# Altium PCB PCB.PcbDoc
Units mil, origin at the board's own origin, x right, y up, seen from the top; angles counter-clockwise.
Board outline 6000 x 4000 mil, 2 copper layers (Top Layer, Bottom Layer); 58 components, 38 nets, 195 pads, 12 vias.
Unrouted connection lines stored in the file: 109.
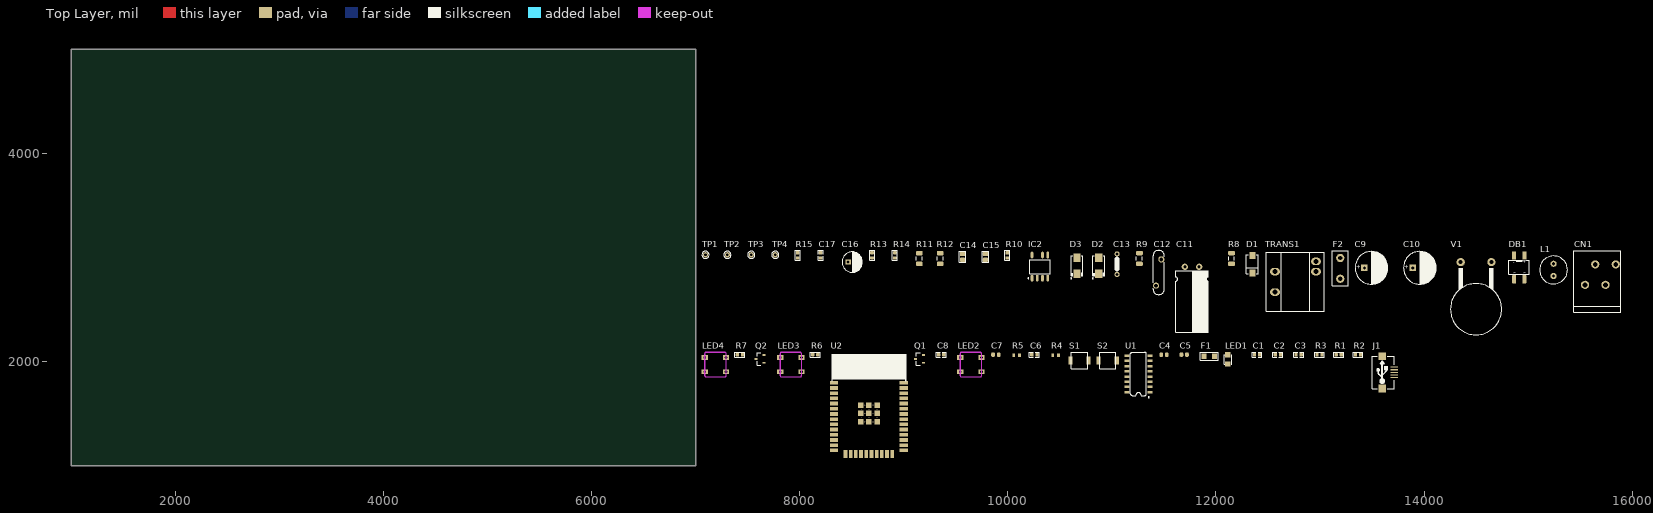
[diagram p0: Top Layer view]
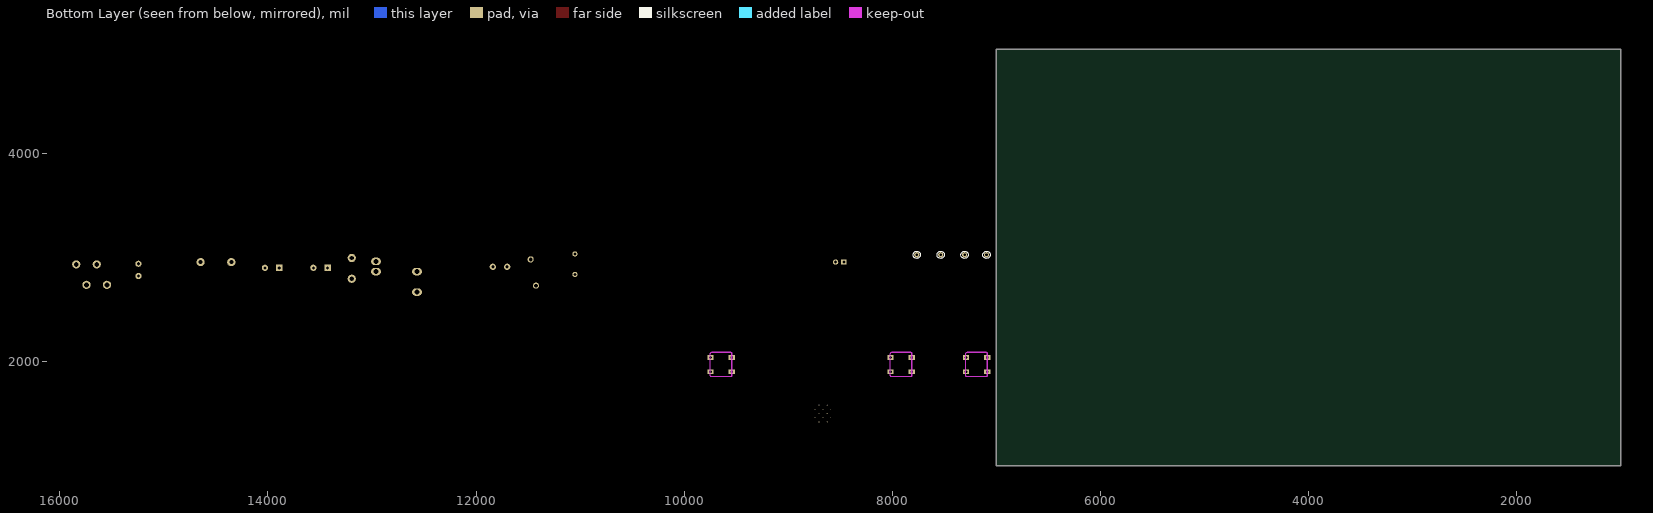
[diagram p1: Bottom Layer view, seen from below]

## Layer stack, top to bottom
Top Solder: solder mask 0.4, Solder Resist, Dk 3.5
Top Layer: signal copper 1.4
Dielectric 1: dielectric 12.6, FR-4, Dk 4.8
Bottom Layer: signal copper 1.4
Bottom Solder: solder mask 0.4, Solder Resist, Dk 3.5

## Board outline
1000,1000 7000,1000 7000,5000 1000,5000

## Design rules (kind name [scope] priority, off if disabled: settings)
Clearance [All] p1: gap=10 ignorepadtopadclearanceinfootprint=FALSE except(0: Arc-Hole Track-Hole SMDPad-Hole THPad-Hole Via-Hole Fill-Hole Poly-Hole Region-Hole Text-Hole)
DiffPairsRouting [All] p1: maxlimit=10 minlimit=10 mostfreqgap=10 toplayer_minwidth=15 toplayer_maxwidth=15 toplayer_prefwidth=15 bottomlayer_minwidth=15 bottomlayer_maxwidth=15 bottomlayer_prefwidth=15 maxuncoupledlength=500
PolygonConnect [All] p1: connectstyle=Relief reliefconductorwidth=10 reliefentries=4 polygonreliefangle="90 Angle" airgapwidth=10
RoomDefinition "Power Supply" [InComponentClass('Power Supply')] p1: confinementstyle=ConfineIn formatcopy=TRUE lockcomponents=FALSE outline 7045,2245 15900,2245 15900,3175 7045,3175
RoomDefinition MCU [InComponentClass('MCU')] p2: confinementstyle=ConfineIn formatcopy=TRUE lockcomponents=FALSE outline 7045,1060 13760,1060 13760,2200 7045,2200
RoutingVias [All] p1: holewidth=28 width=50 viastyle="Through Hole" minholewidth=28 minwidth=50 maxholewidth=28 maxwidth=50
SolderMaskExpansion [All] p1: expansion=4
Width [All] p1: maxlimit=10 minlimit=10 preferedwidth=10
29 further rules are at their usual default settings.

## Classes and differential pairs
net class Power: L N NetDB1_4
net class "Peak voltage": FB GND1 NetC9_1 NetC13_1 NetC13_2 NetD2_2 NetD3_1 NetD3_2 PSOURCE PVCC V_IN
net class "Low voltage": +3.3V +5V A GND
component class "Power Supply": C9 C10 C11 C12 C13 C14 C15 C16 C17 CN1 D1 D2 D3 DB1 F2 IC1 IC2 L1 R8 R9 R10 R11 R12 R13 R14 R15 TP1 TP2 TP3 TP4 TRANS1 V1
component class MCU: C1 C2 C3 C4 C5 C6 C7 C8 F1 J1 LED1 LED2 LED3 LED4 Q1 Q2 R1 R2 R3 R4 R5 R6 R7 S1 S2 U1 U2
differential pair D: +D_P -D_N

## Components (designator, comment, footprint, x,y, rotation, side; value= is the part's Value field where it differs from the comment)
C1 "104/50V" C0603-C 12395,2065 r0 top
C2 "104/50V" C0603-C 12595,2065 r0 top
C3 "104/50V" C0603-C 12795,2065 r0 top
C4 "106/10V" C0603-B 11500,2065 r0 top
C5 "106/10V" C0603-B 11695,2065 r0 top
C6 "104/50V" C0603-C 10255,2065 r0 top
C7 "106/10V" C0603-B 9885,2065 r0 top
C8 "104/50V" C0603-C 9360,2065 r0 top
C9 "4.7uF/400V" CAPPR3.5-8x11.5 13495,2900 r0 top
C10 "4.7uF/400V" CAPPR3.5-8x11.5 13960,2900 r0 top
C11 "1000uF 10VDC" CAPPR3.5-8x15A 11770,2910 r0 top
C12 "2200pF/500V" 562R5TSD22 11450,2855 r90 top
C13 "220pF/1kV" F221K25Y5RN6UK5R 11050,2935 r90 top
C14 "106/10V" C0805-C 9565,3005 r90 top
C15 "106/10V" C0805-C 9785,3005 r90 top
C16 "10uF/50V" CAPPR2-5x11 8505,2955 r0 top
C17 "100/50V" C0603-C 8200,3020 r90 top
CN1 "POWER" H60200801000G 15695,2835 r0 top value=CON-4
D1 "STPS2150A" SMA 12350,2935 r90 top
D2 "1A/1000V" DO-214BA 10875,2920 r90 top
D3 "1A/1000V" DO-214BA 10665,2920 r90 top
DB1 "HD06-T" HD0X 14915,2905 r0 top
F1 "Ferrite Bead" Ferrite_0805 11935,2050 r0 top
F2 "1A-300V" F36911000000 13195,2895 r90 top
IC2 "TEA1721AT" SO-7 10325,2920 r0 top
J1 "USB-5" USB-M1 13715,1895 r90 top
L1 "1000uH/120mA" RLB0812 15245,2880 r90 top
LED1 "LED" LED-0805-Red 12115,1975 r90 top value="LED 3 ly Single Colour"
LED2 "WS2812B" WS2812B-PCB 9645,1970 r0 top
LED3 "WS2812B" WS2812B-PCB 7915,1970 r0 top
LED4 "WS2812B" WS2812B-PCB 7190,1970 r0 top
Q1 "MMTB1815" SOT23-321-C 9150,2025 r0 top
Q2 "MMTB1815" SOT23-321-C 7620,2025 r0 top
R1 "10K/1%" R0603-C 13180,2065 r0 top
R2 "10K/1%" R0603-C 13365,2065 r0 top
R3 "10K/1%" R0603-C 12995,2065 r0 top
R4 "1K/1%" R0603-B 10460,2060 r0 top
R5 "1K/1%" R0603-B 10085,2060 r0 top
R6 "10K/1%" R0603-C 8150,2065 r0 top
R7 "10K/1%" R0603-C 7425,2065 r0 top
R8 "471/5%" R1206-C 12150,2990 r90 top
R9 "104/5%" R1206-C 11265,2990 r90 top
R10 "3.3K/5%" R0603-C 9995,3020 r90 top
R11 "3R3/1%" R1206-C 9150,2990 r90 top
R12 "3R3/1%" R1206-C 9350,2990 r90 top
R13 "10R/5%" R0603-C 8695,3020 r90 top
R14 "15K/1%" R0603-C 8915,3020 r90 top
R15 "3k9/1%" R0603-C 7980,3020 r90 top
S1 "SW-SMD" SW2-3x4x2.5 10690,2010 r0 top
S2 "SW-SMD" SW2-3x4x2.5 10960,2010 r0 top
TP1 "PGND" "TP Multilayer" 7095,3025 r0 top value="TP Multilayer"
TP2 "GND" "TP Multilayer" 7305,3025 r0 top value="TP Multilayer"
TP3 "3V3" "TP Multilayer" 7535,3025 r0 top value="TP Multilayer"
TP4 "5V" "TP Multilayer" 7765,3025 r0 top value="TP Multilayer"
TRANS1 "HTK-MUC51" HTK-MUC51 12765,2765 r0 top value=TRANS
U1 "CH340C" SO016 11255,1880 r90 top
U2 "ESP_WROOM_32" ESP32_WROOM_32 8665,1520 r0 top
V1 "3.5kA" V10E300P-H 14500,2955 r0 top

## Footprints (in the part's own frame and the unit in brackets; to place one, negate y for a bottom-side part, rotate by r counter-clockwise, add the part's x,y. Pads: shape width x height; smd on the part's side, far side on the other; paste and mask are expansions set on the pad)
562R5TSD22 [mm]
  round 1.5 hole 0.9: 1(-3.2,0.65) 2(3.2,-0.65)
  silkscreen extent -5.38,-1.38 5.38,1.38, body extent -5.4,-1.35 5.4,1.35, height 14.4
C0603-B [mm] "Chip Capacitor, 2-Leads, Body 1.60x0.80mm, IPC Medium Density"
  rrect50% 0.9x1 smd: 1(-0.675,0) 2(0.675,0)
  body extent -0.8,-0.4 0.8,0.4, height 0.8
C0603-C [mm] "Chip Capacitor, 2-Leads, Body 1.60x0.80mm, IPC High Density"
  rrect50% 0.8x0.9 smd: 1(-0.625,0) 2(0.625,0)
  silkscreen extent -1.19,-0.61 1.19,0.61, body extent -0.8,-0.4 0.8,0.4, height 0.8
C0805-C [mm] "Chip Capacitor, 2-Leads, Body 2.00x1.25mm, IPC High Density"
  rrect50% 1x1.35 smd: 1(-0.7,0) 2(0.7,0)
  silkscreen extent -1.35,-0.84 1.35,0.84, body extent -1,-0.62 1,0.63, height 0.78
CAPPR2-5x11 [mil] "Capacitor, Radial; Body 5.5x11 mm(Dia.xH max); Pin Spacing 2.5mm(typ)"
  rect 50x50 hole 30: 1(-39.37,0)
  round 50 hole 30: 2(39.37,0)
  silkscreen extent -98,-98 98,98, body extent -98,-98 99,98, height 433
CAPPR3.5-8x11.5 [mil] "Capacitor, Radial; Body 8x11 mm(Dia.xH max); Pin Spacing 3.5 mm(typ)"
  rect 60x60 hole 30: 1(-68.9,0)
  round 60 hole 30: 2(68.9,0)
  silkscreen extent -157,-157 157,157, body extent -159,-158 156,157, height 453
CAPPR3.5-8x15A [mil] "Capacitor, Radial; Body 8x15 mm(Dia.xH max); Pin Spacing 3.5 mm(typ)"
  round 60 hole 30: 1(-68.9,0) 2(68.9,0)
  silkscreen extent -157,-630 157,-39, body extent -157,-630 157,15, height 315
DO-214BA [mm] "Molded Diode, 2-Leads, Body 4.50x2.65mm, IPC Low Density"
  rect 2x1.8 smd: 1(-1.965,0) 2(1.965,0)
  silkscreen extent -3.19,-1.45 2.49,1.57, body extent -2.59,-1.45 2.6,1.45, height 2.74
ESP32_WROOM_32 [mm] "ESP32_WROOM_32 Module, Antenna Onboard"
  rect 1.33x1.33 smd: 0(-2,-2.495) 0(-2,-0.495) 0(-2,1.505) 0(0,-2.495) 0(0,-0.495) 0(0,1.505) 0(2,-2.495) 0(2,-0.495) 0(2,1.505)
  rect 2x0.9 smd: 1(-8.5,7) 2(-8.5,5.73) 3(-8.5,4.46) 4(-8.5,3.19) 5(-8.5,1.92) 6(-8.5,0.65) 7(-8.5,-0.62) 8(-8.5,-1.89) 9(-8.5,-3.16) 10(-8.5,-4.43) 11(-8.5,-5.7) 12(-8.5,-6.97) 13(-8.5,-8.24) 14(-8.5,-9.51) 25(8.5,-9.51) 26(8.5,-8.24) 27(8.5,-6.97) 28(8.5,-5.7) 29(8.5,-4.43) 30(8.5,-3.16) 31(8.5,-1.89) 32(8.5,-0.62) 33(8.5,0.65) 34(8.5,1.92) 35(8.5,3.19) 36(8.5,4.46) 37(8.5,5.73) 38(8.5,7)
  rect 0.9x2 smd: 15(-5.73,-10.415) 16(-4.46,-10.415) 17(-3.19,-10.415) 18(-1.92,-10.415) 19(-0.65,-10.415) 20(0.62,-10.415) 21(1.89,-10.415) 22(3.16,-10.415) 23(4.43,-10.415) 24(5.7,-10.415)
  silkscreen extent -9.1,7.4 9.1,13.95, body extent -9.04,-11 9.04,14.54, height 3
F221K25Y5RN6UK5R [mm]
  round 1.27 hole 0.8: 1(-2.5,0) 2(2.5,0)
  silkscreen extent -1.17,0 1.19,0, body extent -3,-1.05 3,1.05, height 8.1
F36911000000 [mm] "Time lag 300V 1A fuse"
  round 2 hole 1: 1(-2.54,0) 2(2.54,0)
  silkscreen extent -4.25,-2 4.25,2, body extent -4.25,-2 4.25,2, height 8
Ferrite_0805 [mil]
  rect 50x55 smd: 1(-50,0) 2(50,0)
  silkscreen extent -87,-40 87,39, body extent -39,-24 39,24, height 18
H60200801000G [mm] "Anytex H6xx connector 2Pin Pitch 5mm"
  round 2 hole 1.2: 1(-3.75,-2.5) 2(-1.25,2.5) 3(1.25,-2.5) 4(3.75,2.5)
  silkscreen extent -6.55,-9.2 4.95,5.8, body extent -6.6,-9.2 5,5.8, height 15
HD0X [mm] "Diode bridge 0.8A 100V"
  rrect30% 1x2 smd: 1(1.25,2.899) 2(-1.25,-2.899) 3(-1.25,2.899) 4(1.25,-2.899)
  silkscreen extent -2.5,-1.75 2.5,1.75, body extent -2.48,-3.48 2.42,3.47, height 2.7
HTK-MUC51 [mm] "HTK-MUC51"
  oval 2.4x1.8 hole 1.2: 2(-5,2.5) 4(-5,-2.5) 9(5,2.5) 10(5,5)
  silkscreen extent -7.1,-7.2 7,7.2, body extent -7,-7.2 6.9,7.2, height 10.8
LED-0805-Red [mil]
  rect 50x55 smd: 1(0,0) 2(90,0)
  silkscreen extent 0,-35 90,35, body extent 5,-25 85,25, height 43
R0603-B [mm] "Chip Resistor, 2-Leads, Body 1.60x0.82mm, IPC Medium Density"
  rrect50% 0.7x0.95 smd: 1(-0.7,0) 2(0.7,0)
  body extent -0.78,-0.43 0.78,0.43, height 0.45
R0603-C [mm] "Chip Resistor, 2-Leads, Body 1.60x0.82mm, IPC High Density"
  rrect50% 0.8x0.9 smd: 1(-0.625,0) 2(0.625,0)
  silkscreen extent -1.19,-0.61 1.19,0.61, body extent -0.78,-0.43 0.78,0.43, height 0.45
R1206-C [mm] "Chip Resistor, 2-Leads, Body 3.20x1.60mm, IPC High Density"
  rrect50% 1.05x1.65 smd: 1(-1.3,0) 2(1.3,0)
  silkscreen extent -0.4,-0.72 0.4,0.72, body extent -1.68,-0.86 1.68,0.86, height 0.85
RLB0812 [mm]
  round 1.5 hole 0.8: 1(-1.5,0) 2(1.5,0)
  silkscreen extent -3.4,-3.4 3.4,3.4, body extent -3.35,-3.35 3.35,3.35, height 10
SMA [mm] "Molded Diode, 2-Leads, Body 4.27x2.57mm, IPC Low Density"
  rect 1.7x1.5 smd: 1(-2.165,0) 2(2.165,0)
  silkscreen extent -2.29,-1.42 2.31,1.48, body extent -2.52,-1.45 2.52,1.45, height 2.5
SO016 [mm]
  rect 0.6x1.2 smd: 1(-4.445,-2.8) 2(-3.175,-2.8) 3(-1.905,-2.8) 4(-0.635,-2.8) 5(0.635,-2.8) 6(1.905,-2.8) 7(3.175,-2.8) 8(4.445,-2.8) 9(4.445,2.8) 10(3.175,2.8) 11(1.905,2.8) 12(0.635,2.8) 13(-0.635,2.8) 14(-1.905,2.8) 15(-3.175,2.8) 16(-4.445,2.8)
  silkscreen extent -5.84,-2.67 5.26,1.95, body extent -4.98,-3.12 5,3.12, height 1.58
SO-7 [mm] "SOIC, 7-Leads, Body 4.90x3.90mm, Pitch 1.27mm, IPC Low Density"
  oval 0.65x1.65 smd: 1(-2.337,-3.028) 2(-1.067,-3.028) 3(0.203,-3.028) 4(1.473,-3.028) 5(1.473,2.622) 6(0.203,2.622) 7(-2.337,2.622)
  silkscreen extent -3.34,-3.15 2.07,1.5, body extent -2.93,-3.2 2.07,2.8, height 1.75
SOT23-321-C [mm] "SOTFL, 3-Leads, Body 2.90x2.30mm, Pitch 0.95mm, IPC High Density"
  rect 0.75x0.45 smd: 1(0.975,-0.95) 2(0.975,0.95) 3(-0.975,0)
  silkscreen extent -0.7,-1.5 0.2,1.5, body extent -1.14,-1.46 1.2,1.46, height 1
SW2-3x4x2.5 [mm]
  rect 1x2 smd: 1(-2.2,0) 2(2.2,0)
  silkscreen extent -2,-2 2,2, body extent -2.55,-1.45 2.35,1.45, height 2
"TP Multilayer" [mil] "Test point Multilayer"
  round 50 hole 25: 1(0,0)
  silkscreen extent -35,-35 35,35
USB-M1 [mil]
  rect 10x70 smd: 1(51.18,0) 2(25.59,0) 3(0,0) 4(-25.59,0) 5(-50,0)
  rect 74.8x74.8 smd: 5(-155.51,116.84) 5(155.51,116.84)
  silkscreen extent -155,-1 155,215, body extent -157,5 158,218, height 107
V10E300P-H [mm]
  round 2 hole 1: 1(-3.75,0) 2(3.75,0)
  silkscreen extent -6.25,-17.75 6.25,-1.5, body extent -6.25,-16.55 6.25,0.45, height 6.79
WS2812B-PCB [mm]
  rect 1.5x1.2 hole 0.7: 1(-2.6,1.75) 2(-2.6,-1.75) 3(2.6,-1.75) 4(2.6,1.75)
  Keep-Out Layer board cut-out: -2.3,3 -2.415,2.977 -2.512,2.912 -2.577,2.815 -2.6,2.7 -2.6,2.7 -2.6,-2.7 -2.577,-2.815 -2.512,-2.912 -2.415,-2.977 -2.3,-3 -2.3,-3 2.3,-3 2.415,-2.977 2.512,-2.912 2.577,-2.815 2.6,-2.7 2.6,-2.7 2.6,2.7 2.577,2.815 2.512,2.912 2.415,2.977 2.3,3 2.3,3
  Keep-Out Layer lines w0.125: -2.6,-2.7 ccw(c-2.3,-2.7) -2.3,-3 2.3,-3 ccw(c2.3,-2.7) 2.6,-2.7 2.6,2.7 ccw(c2.3,2.7) 2.3,3 -2.3,3 ccw(c-2.3,2.7) -2.6,2.7 -2.6,2.5 -2.6,-2.7
  body extent -2.5,-2.5 2.5,2.5

## Part data
C1 C2 C3 C6 C8: library part CL10B104KB8NNNC, "100nF ±10% 50V X7R 0603 Multilayer Ceramic Capacitors MLCC - SMD/SMT RoHS", BSH Partnumber=C1591, Manufacture="Samsung Electro-Mechanics", ComponentLink1Description=Datasheet, ComponentLink1URL=https://datasheet.lcsc.com/szlcsc/1811021431_Samsung-Electro-Mechanics-CL10B104KB8NNNC_C1591.pdf, ComponentLink2Description="Link sale", ComponentLink2URL=https://item.szlcsc.com/1943.html, Creator=Digo, Datasheet=https://datasheet.lcsc.com/szlcsc/1811021431_Samsung-Electro-Mechanics-CL10B104KB8NNNC_C1591.pdf, Date=20210218, Distributor="LCSC Electronics", Link sale=https://item.szlcsc.com/1943.html, Partnumber=CL10B104KB8NNNC, Pricing (USD)=0.008
C4 C5 C7: library part CL10A106KP8NNNC, "10uF ±10% 10V X5R 0603 Multilayer Ceramic Capacitors MLCC - SMD/SMT RoHS", BSH Partnumber=C19702, Manufacture="Samsung Electro-Mechanics", ComponentLink1Description=Datasheet, ComponentLink1URL=https://datasheet.lcsc.com/szlcsc/1810191219_Samsung-Electro-Mechanics-CL10A106KP8NNNC_C19702.pdf, ComponentLink2Description="Link sale", ComponentLink2URL=https://item.szlcsc.com/20411.html, Creator=Digo, Datasheet=https://datasheet.lcsc.com/szlcsc/1810191219_Samsung-Electro-Mechanics-CL10A106KP8NNNC_C19702.pdf, Date=20210219, Distributor="LCSC Electronics", Link sale=https://item.szlcsc.com/20411.html, Partnumber=CL10A106KP8NNNC, Pricing (USD)=0.008
C9 C10: library part UVC2G4R7MPD, "CAPP 4.7uF 400V 20%", BSH Partnumber=C-4.7-400-8x12, Manufacture=Nichicon, ComponentLink1Description=Datasheet, ComponentLink1URL=http://www.mouser.com/ds/2/293/e-uvc-884169.pdf, ComponentLink2Description="Link sale", ComponentLink2URL=http://www.mouser.vn/ProductDetail/Nichicon/UVC2G4R7MPD/?qs=%2fha2pyFadugG8EgAuLk2FI4lDn3gTjIjspvzUlbO%2fdoUmPWf3U1vnw%3d%3d, Creator=SmartDevice, Datasheet=http://www.mouser.com/ds/2/293/e-uvc-884169.pdf, Date=20160610, Distributor=Mouser, Link sale=http://www.mouser.vn/ProductDetail/Nichicon/UVC2G4R7MPD/?qs=%2fha2pyFadugG8EgAuLk2FI4lDn3gTjIjspvzUlbO%2fdoUmPWf3U1vnw%3d%3d, Partnumber=UVC2G4R7MPD, Pricing (USD)=0.196
C11: library part EEU-FR1A102L, "Aluminum Electrolytic Capacitors - Leaded 10VDC 1000uF 8x15mm LS3.5mm", BSH Partnumber=C-1000u-10V-20, Manufacture=Panasonic, ComponentLink1Description=Datasheet, ComponentLink1URL=http://www.mouser.com/ds/2/315/ABA0000C1021-947569.pdf, ComponentLink2Description="Link sale", ComponentLink2URL=http://www.mouser.vn/ProductDetail/Panasonic/EEU-FR1A102L/?qs=sGAEpiMZZMtZ1n0r9vR22f2plZjWOZXTVY6dm5baXxU%3d, Creator=NamNHc, Datasheet=http://www.mouser.com/ds/2/315/ABA0000C1021-947569.pdf, Date=20160709, Distributor=Mouser, Link sale=http://www.mouser.vn/ProductDetail/Panasonic/EEU-FR1A102L/?qs=sGAEpiMZZMtZ1n0r9vR22f2plZjWOZXTVY6dm5baXxU%3d, Partnumber=EEU-FR1A102L, Pricing (USD)=0
C12: library part 562R5TSD22, "Ceramic Disc Capacitors 500volts 2200pF 10% .25LS X7R", BSH Partnumber="New part", Manufacture="Vishay / BC Components", ComponentLink1Description=Datasheet, ComponentLink1URL=http://www.mouser.com/ds/2/427/561r562r565r-239687.pdf, ComponentLink2Description="Link sale", ComponentLink2URL=http://www.mouser.vn/ProductDetail/Vishay-Cera-Mite/562R5TSD22/?qs=sGAEpiMZZMt1mVBmZSXTPInczIyfF0EBuZvvR8HKRKI=, Creator=NamNHc, Datasheet=http://www.mouser.com/ds/2/427/561r562r565r-239687.pdf, Date=20170329, Distributor=Mouser, Link sale=http://www.mouser.vn/ProductDetail/Vishay-Cera-Mite/562R5TSD22/?qs=sGAEpiMZZMt1mVBmZSXTPInczIyfF0EBuZvvR8HKRKI=, Partnumber=562R5TSD22, Pricing (USD)=0.338
C13: library part F221K25Y5RN6UK5R, "CAPP Ceramic Disc 220pF 1000V 10% 5x6.5mm", BSH Partnumber=C-220-1K-D, Manufacture="Vishay / BC Components", ComponentLink1Description=Datasheet, ComponentLink1URL=http://www.mouser.com/ds/2/427/hvldf02-515169.pdf, ComponentLink2Description="Link sale", ComponentLink2URL=http://www.mouser.vn/ProductDetail/Vishay/F221K25Y5RN6UK5R/?qs=%2fha2pyFaduiH3AWr3oDgc4rr8ZI%252b6maFUN2U6TJgzO2VQGuikzFv0A%3d%3d, Creator=SmartDevice, Datasheet=http://www.mouser.com/ds/2/427/hvldf02-515169.pdf, Date=20160716, Distributor=Mouser, Link sale=http://www.mouser.vn/ProductDetail/Vishay/F221K25Y5RN6UK5R/?qs=%2fha2pyFaduiH3AWr3oDgc4rr8ZI%252b6maFUN2U6TJgzO2VQGuikzFv0A%3d%3d, Partnumber=F221K25Y5RN6UK5R, Pricing (USD)=0.129
C14 C15: library part GRM21BR71A106KA73L, "CAP 0805 10uF 10V 10%", BSH Partnumber=C-10u-10V-0805-10, Manufacture="Murata Electronics", ComponentLink1Description=Datasheet, ComponentLink1URL=http://www.murata.com/products/catalog/pdf/c02e.pdf, ComponentLink2Description="Link sale", ComponentLink2URL=http://www.mouser.vn/ProductDetail/Murata/GRM21BR71A106KA73L/?qs=%2fha2pyFaduh%2fEdsyu96AxlYmpb%2fkUgcA5NhpACNM6PnXP0Re01zvkhFjHxs1cDT4, Creator=SmartDevice, Datasheet=http://www.murata.com/products/catalog/pdf/c02e.pdf, Date=20160715, Distributor=Mouser, Link sale=http://www.mouser.vn/ProductDetail/Murata/GRM21BR71A106KA73L/?qs=%2fha2pyFaduh%2fEdsyu96AxlYmpb%2fkUgcA5NhpACNM6PnXP0Re01zvkhFjHxs1cDT4, Partnumber=GRM21BR71A106KA73L, Pricing (USD)=0.039
C16: library part EEU-EB1H100S, "CAPP 10uF 50V 20%", BSH Partnumber=C-10u-50-20-D, Manufacture=Panasonic, ComponentLink1Description=Datasheet, ComponentLink1URL=http://www.mouser.com/ds/2/315/DMF0000COL62-951366.pdf, ComponentLink2Description="Link sale", ComponentLink2URL=http://www.mouser.vn/ProductDetail/Panasonic/EEU-EB1H100S/?qs=sGAEpiMZZMtZ1n0r9vR22RyzzjEKRzqKZbIP%252bqQ6oFI%3d, Creator=SmartDevice, Datasheet=http://www.mouser.com/ds/2/315/DMF0000COL62-951366.pdf, Date=20160716, Distributor=Mouser, Link sale=http://www.mouser.vn/ProductDetail/Panasonic/EEU-EB1H100S/?qs=sGAEpiMZZMtZ1n0r9vR22RyzzjEKRzqKZbIP%252bqQ6oFI%3d, Partnumber=EEU-EB1H100S, Pricing (USD)=0.072
C17: library part GRM1885C1H100JA01D, "CAP 0603 10pF 5% 50V", BSH Partnumber=C-100-50-0603-5, Manufacture="Murata Electronics", ComponentLink1Description=Datasheet, ComponentLink1URL=http://www.murata.com/products/catalog/pdf/c02e.pdf, ComponentLink2Description="Link sale", ComponentLink2URL=http://www.mouser.vn/ProductDetail/Murata/GRM1885C1H100JA01D/?qs=%2fha2pyFadug%2fvrC4VCXnlbJmrOFMaxj30QUgA6YXUVlxuM%2fhvX8xlA%3d%3d, Creator=SmartDevice, Datasheet=http://www.murata.com/products/catalog/pdf/c02e.pdf, Date=20160715, Distributor=Mouser, Link sale=http://www.mouser.vn/ProductDetail/Murata/GRM1885C1H100JA01D/?qs=%2fha2pyFadug%2fvrC4VCXnlbJmrOFMaxj30QUgA6YXUVlxuM%2fhvX8xlA%3d%3d, Partnumber=GRM1885C1H100JA01D, Pricing (USD)=0.01
CN1: library part H60200801000G, "CON H60200801000G 4P Male", BSH Partnumber=CN-H60200801000G, Manufacture=ANYTEK, ComponentLink1Description=Datasheet, ComponentLink1URL=http://www.anytek.com.tw/UserUpFiles/20120827/QEmQqqk9rR3n.pdf, ComponentLink2Description="Link sale", ComponentLink2URL=http://www.anytek.com.tw/EN/search_product.aspx?cateid=&codename=&exflag1=0&exflag5=60200801000G&page=1, Creator=SmartDevice, Datasheet=http://www.anytek.com.tw/UserUpFiles/20120827/QEmQqqk9rR3n.pdf, Date=20160715, Link sale=http://www.anytek.com.tw/EN/search_product.aspx?cateid=&codename=&exflag1=0&exflag5=60200801000G&page=1, Partnumber=H60200801000G
D1: "DIODE SMA 2.0A 150V 2.95x4.6x2.03mm", BSH Partnumber=D-STPS2150A, Manufacture=STMicroelectronics, ComponentLink1Description=Datasheet, ComponentLink1URL=http://www.mouser.com/ds/2/389/CD00003322-250509.pdf, ComponentLink2Description="Link sale", ComponentLink2URL=http://www.mouser.vn/ProductDetail/STMicroelectronics/STPS2150A/?qs=%2fha2pyFadugOUJO7vR3gGVErv5AK1AyP3XR3TiacJmw%3d, Creator=SmartDevice, Datasheet=http://www.mouser.com/ds/2/389/CD00003322-250509.pdf, Date=20160610, Distributor=Mouser, Link sale=http://www.mouser.vn/ProductDetail/STMicroelectronics/STPS2150A/?qs=%2fha2pyFadugOUJO7vR3gGVErv5AK1AyP3XR3TiacJmw%3d, Partnumber=STPS2150A, Pricing (USD)=0.155
D2 D3: library part GF1M-E3/67A, "DIODE DO-214AB 1000V 1A", BSH Partnumber=D-GF1M, Manufacture="Vishay Semiconductors", ComponentLink1Description=Datasheet, ComponentLink1URL=http://www.mouser.com/ds/2/427/gf1-240444.pdf, ComponentLink2Description="Link sale", ComponentLink2URL=http://vn.mouser.com/ProductDetail/Vishay-Semiconductors/GF1M-E3-67A/?qs=AvlKB63p5SmLpodxku2zLQ%3D%3D, Creator=SmartDevice, Datasheet=http://www.mouser.com/ds/2/427/gf1-240444.pdf, Date=20151022, Distributor=Mouser, Link sale=http://vn.mouser.com/ProductDetail/Vishay-Semiconductors/GF1M-E3-67A/?qs=AvlKB63p5SmLpodxku2zLQ%3D%3D, Partnumber=GF1M-E3/67A, Pricing (USD)=0.187
DB1: "DB SMD 0.8A 600V", BSH Partnumber=D-HD06-T, Manufacture="Diodes Incorporated", ComponentLink1Description=Datasheet, ComponentLink1URL=http://www.mouser.com/ds/2/115/ds17003-38038.pdf, ComponentLink2Description="Link sale", ComponentLink2URL=http://www.mouser.vn/ProductDetail/Diodes-Incorporated/HD06-T/?qs=sGAEpiMZZMtQ8nqTKtFS%2fNgL6ac11fJuElzuDV0ZOyo%3d, Creator=SmartDevice, Datasheet=http://www.mouser.com/ds/2/115/ds17003-38038.pdf, Date=20160704, Distributor=Mouser, Link sale=http://www.mouser.vn/ProductDetail/Diodes-Incorporated/HD06-T/?qs=sGAEpiMZZMtQ8nqTKtFS%2fNgL6ac11fJuElzuDV0ZOyo%3d, Partnumber=HD06-T, Pricing (USD)=0.151
F1: Case/Package=0805, Case Code (Metric)=2012, Current Rating=4A, DC Current=3A, DC Resistance (DCR)=14mR, Frequency=100MHz, Manufacturer=Murata, Manufacturer Part Number=BLM21PG300SN1D, Max Operating Temperature=125°C, Min Operating Temperature=-55°C, Package Quantity=1, Resistance=15mR, Supplier Part Number 1=490-1052-2-ND, Tolerance=25%, Case Code (Imperial)=0805, ComponentLink1Description=http://search.murata.co.jp/Ceramy/image/img/PDF/ENG/L0110S0100BLM21P.pdf?src-supplier=Avnet, ComponentLink1URL=http://search.murata.co.jp/Ceramy/image/img/PDF/ENG/L0110S0100BLM21P.pdf?src-supplier=Avnet, ComponentLink2Description=https://www.murata.com/en-us/products/productdata/8796738977822/ENFA0005.pdf?src-supplier=Digi-Key, ComponentLink2URL=https://www.murata.com/en-us/products/productdata/8796738977822/ENFA0005.pdf?src-supplier=Digi-Key, ComponentLink3Description=http://www.farnell.com/datasheets/1756152.pdf?src-supplier=Element14, ComponentLink3URL=http://www.farnell.com/datasheets/1756152.pdf?src-supplier=Element14, ComponentLink4Description=http://uk.rs-online.com/webdocs/002e/0900766b8002e1f1.pdf?src-supplier=RSComponents, ComponentLink4URL=http://uk.rs-online.com/webdocs/002e/0900766b8002e1f1.pdf?src-supplier=RSComponents, ComponentLink5Description=http://www.murata.com/en-global/api/pdfdownloadapi?cate=luNoiseSupprFilteChipFerriBead&partno=BLM21PG300SN1%23&src-supplier=Future+Electronics, ComponentLink5URL=http://www.murata.com/en-global/api/pdfdownloadapi?cate=luNoiseSupprFilteChipFerriBead&partno=BLM21PG300SN1%23&src-supplier=Future+Electronics, ComponentLink6Description=http://www.jameco.com/Jameco/Products/ProdDS/1845339.pdf?src-supplier=Jameco, ComponentLink6URL=http://www.jameco.com/Jameco/Products/ProdDS/1845339.pdf?src-supplier=Jameco, ComponentLink7Description=http://search.murata.co.jp/Ceramy/image/img/PDF/ENG/L0110S0100BLM21P.pdf?src-supplier=Avnet+Europe, ComponentLink7URL=http://search.murata.co.jp/Ceramy/image/img/PDF/ENG/L0110S0100BLM21P.pdf?src-supplier=Avnet+Europe, ComponentLink8Description=http://www.produktinfo.conrad.com/datenblaetter/1100000-1199999/001172365-da-01-en-DROSSEL_0805_30R0_2_0X1_25MM_4000ST.pdf?src-supplier=Conrad, ComponentLink8URL=http://www.produktinfo.conrad.com/datenblaetter/1100000-1199999/001172365-da-01-en-DROSSEL_0805_30R0_2_0X1_25MM_4000ST.pdf?src-supplier=Conrad, ComponentLink9Description=https://banlinhkien.vn/goods-9788-ferrite-beads-100-ohm-nfz2msm101sn10l.html, ComponentLink9URL=https://banlinhkien.vn/goods-9788-ferrite-beads-100-ohm-nfz2msm101sn10l.html, Core Material=Ferrite, DC Resistance-Max=14mR, Depth=1.25mm, Height=0.85mm, Impedance=30R, Lead Free="Lead Free", Length=2mm, Material=Steel,Ferrite, Max Current Rating=4A, Max DC Current=3A, Military Standard=Not, Number of Circuits=1, Number of Lines=1, Number of Pins=2, Packaging="Tape and Reel", Pricing 1="4000=0.03102, 8000=0.02895, 12000=0.02688, 28000=0.02657, 100000=0.02585 (USD)", Radiation Hardening=No, REACH SVHC="No SVHC", RoHS Compliant=Yes, Series=BLM21P, Shielding=Unshielded, Stock 1=0, Supplier 1=Digi-Key, Termination=SMD/SMT, Test Frequency=100MHz, Width=1.25mm
F2: library part 36911000000, "FUSE 36911000000 1A 300V 4x8mm", BSH Partnumber=F-1A-300V, Manufacture="Little Fuse", ComponentLink1Description=Datasheet, ComponentLink1URL=http://www.mouser.com/ds/2/240/Littelfuse_Fuse_369_Datasheet.pdf-693406.pdf, ComponentLink2Description="Link sale", ComponentLink2URL=http://www.mouser.vn/ProductDetail/Littelfuse/36911000000/?qs=%2fha2pyFadugel56iQkHFpKBlKzqe72eQ8PsAjO18UxxK9Xd8%252bW4Qpg%3d%3d, Creator=SmartDevice, Datasheet=http://www.mouser.com/ds/2/240/Littelfuse_Fuse_369_Datasheet.pdf-693406.pdf, Date=20160611, Distributor=Mouser, Link sale=http://www.mouser.vn/ProductDetail/Littelfuse/36911000000/?qs=%2fha2pyFadugel56iQkHFpKBlKzqe72eQ8PsAjO18UxxK9Xd8%252bW4Qpg%3d%3d, Partnumber=36911000000, Pricing (USD)=0.212
IC2: library part TEA1721AT/N1,118, "IC AC/DC Converter SO-7 5.0x6.2x1.75mm", BSH Partnumber=IC-TEA1721AT/N1,118, Manufacture=NXP, ComponentLink1Description=Datasheet, ComponentLink1URL=http://www.mouser.com/ds/2/302/TEA1721AT-843077.pdf, ComponentLink2Description="Link sale", ComponentLink2URL=http://www.mouser.vn/ProductDetail/NXP/TEA1721AT-N1118/?qs=%2fha2pyFadujS%2fIwLEty%2falDzm3J8%2fJUNkB0iVdfNz8M%3d, Creator=SmartDevice, Datasheet=http://www.mouser.com/ds/2/302/TEA1721AT-843077.pdf, Date=20160611, Distributor=Mouser, Link sale=http://www.mouser.vn/ProductDetail/NXP/TEA1721AT-N1118/?qs=%2fha2pyFadujS%2fIwLEty%2falDzm3J8%2fJUNkB0iVdfNz8M%3d, Partnumber=TEA1721AT/N1,118, Pricing (USD)=1
J1: Manufacturer=FCI, Manufacturer Part Number=10118193-0001LF, Supplier Part Number 1=609-4616-1-ND, .Checked PCB=RF, .Checked SCH=MM, .Creator=MM, Category="Connectors, Interconnects", ComponentLink1Description=http://portal.fciconnect.com/Comergent//fci/drawing/10118193.pdf, ComponentLink1URL=http://portal.fciconnect.com/Comergent//fci/drawing/10118193.pdf, Connector Type="USB - micro B", Features="Shielded, Solder Retention", Gender=Receptacle, Ingress Protection=-, Mounting Type="Surface Mount, Right Angle, Horizontal", Number of Contacts=5, Packaging="Cut Tape (CT)", Pricing 1="1=0.46, 10=0.433, 25=0.3712, 50=0.3156, 100=0.3032, 250=0.27224, 500=0.25988 (USD)", RoHS="RoHS Compliant", Specifications="USB 2.0", Stock 1=28642, Supplier 1=Digi-Key
L1: library part RLB0812-102KL, "IND  1000uH 10% 0.12A", BSH Partnumber=L-RLB0812-102KL, Manufacture=Bourns, ComponentLink1Description=Datasheet, ComponentLink1URL=http://www.mouser.com/ds/2/54/LB-777833.pdf, ComponentLink2Description="Link sale", ComponentLink2URL=http://www.mouser.vn/ProductDetail/Bourns/RLB0812-102KL/?qs=%2fha2pyFadugUXycZP3hAKbNHRNMcV3vYTNoRX6lu328P8PrVdgjsIA%3d%3d, Creator=SmartDevice, Datasheet=http://www.mouser.com/ds/2/54/LB-777833.pdf, Date=20160707, Distributor=Mouser, Link sale=http://www.mouser.vn/ProductDetail/Bourns/RLB0812-102KL/?qs=%2fha2pyFadugUXycZP3hAKbNHRNMcV3vYTNoRX6lu328P8PrVdgjsIA%3d%3d, Partnumber=RLB0812-102KL, Pricing (USD)=0.116
LED1: "LED Single colour Green and Red"
LED2 LED3 LED4: BSH Partnumber="New part", Manufacture="World semi", ComponentLink1Description=Datasheet, ComponentLink1URL=https://www.kitronik.co.uk/pdf/WS2812B-LED-datasheet.pdf, ComponentLink2Description="Link sale", Datasheet=https://www.kitronik.co.uk/pdf/WS2812B-LED-datasheet.pdf, Date=20200430, Partnumber=WS2812B, Pricing (USD)=0.018
Q1 Q2: "Transistor NPN SOT23 MMTB1815 Pitch_0.90 mm 2.92x2.00x1.11 mm", BSH Partnumber=Q-MMBT1815-TP, Manufacture=Toshiba, ComponentLink1Description=Datasheet, ComponentLink1URL=http://www.cnelectr.net/diodes/pdf/mmbt1815.pdf, ComponentLink2Description="Link sale", ComponentLink2URL=http://www.tme.vn/Product.aspx?id=413, Creator=DucNTc, Datasheet=http://www.cnelectr.net/diodes/pdf/mmbt1815.pdf, Date=20150912, Link sale=http://www.tme.vn/Product.aspx?id=413, Partnumber=MMTB1815, Pricing (USD)=0.025
R1 R2 R3 R6 R7: library part RC0603FR-0710KL, "RES 0603 10K 1% 100mW", BSH Partnumber=C98220, Manufacture=Yageo, ComponentLink1Description=Datasheet, ComponentLink1URL=https://datasheet.lcsc.com/lcsc/1811101934_YAGEO-RC0603FR-0710KL_C98220.pdf, ComponentLink2Description="Link sale", ComponentLink2URL=https://item.szlcsc.com/99429.html, Creator=Digo, Datasheet=https://datasheet.lcsc.com/lcsc/1811101934_YAGEO-RC0603FR-0710KL_C98220.pdf, Date=20181029, Distributor="LCSC Electronics", Link sale=https://item.szlcsc.com/99429.html, Partnumber=RC0603FR-0710KL, Pricing (USD)=0.002
R4 R5: library part RC0603FR-071KL, "RES 0603 1K 1% 100mW", BSH Partnumber=R-1k-0603-1, Manufacture=Yageo, ComponentLink1Description=Datasheet, ComponentLink1URL=http://www.mouser.com/ds/2/447/RC0603-272842.pdf, ComponentLink2Description="Link sale", ComponentLink2URL=http://vn.mouser.com/ProductDetail/Yageo/RC0603FR-071KL/?qs=%2fha2pyFaduhXXNW8qwNUNqQ9kEEY7HXXvpzZHS3Y0h%2feQEDxZMSpaQ%3d%3d, Creator=SmartDevice, Datasheet=http://www.mouser.com/ds/2/447/RC0603-272842.pdf, Date=20150818, Distributor=Mouser, Link sale=http://vn.mouser.com/ProductDetail/Yageo/RC0603FR-071KL/?qs=%2fha2pyFaduhXXNW8qwNUNqQ9kEEY7HXXvpzZHS3Y0h%2feQEDxZMSpaQ%3d%3d, Partnumber=RC0603FR-071KL, Pricing (USD)=0.002
R8: library part RC1206JR-07470RL, "RES 1206 470R 5% 250mW", BSH Partnumber=R-470R-1206-5, Manufacture=Yageo, ComponentLink1Description=Datasheet, ComponentLink1URL=http://www.mouser.com/ds/2/447/PYu-RC1206_51_RoHS_L-4-349080.pdf, ComponentLink2Description="Link sale", ComponentLink2URL=http://www.mouser.vn/ProductDetail/Yageo/RC1206JR-07470RL/?qs=%2fha2pyFadugAv10W5eASAinpIUt6qtrVv1pLdKpZoto0rQMznlyYjg%3d%3d, Creator=SmartDevice, Datasheet=http://www.mouser.com/ds/2/447/PYu-RC1206_51_RoHS_L-4-349080.pdf, Date=20160716, Distributor=Mouser, Link sale=http://www.mouser.vn/ProductDetail/Yageo/RC1206JR-07470RL/?qs=%2fha2pyFadugAv10W5eASAinpIUt6qtrVv1pLdKpZoto0rQMznlyYjg%3d%3d, Partnumber=RC1206JR-07470RL, Pricing (USD)=0.004
R9: library part RC1206JR-07100KL, "RES 1206 100K 5% 250mW", BSH Partnumber=R-100K-1206-5, Manufacture=Yageo, ComponentLink1Description=Datasheet, ComponentLink1URL=http://www.mouser.com/ds/2/447/PYu-RC1206_51_RoHS_L-4-349080.pdf, ComponentLink2Description="Link sale", ComponentLink2URL=http://www.mouser.vn/ProductDetail/Yageo/RC1206JR-07100KL/?qs=%2fha2pyFadugAv10W5eASAgAbIwDj0mC5zdBHJsZxIFkHK6MBmZ2tew%3d%3d, Creator=SmartDevice, Datasheet=http://www.mouser.com/ds/2/447/PYu-RC1206_51_RoHS_L-4-349080.pdf, Date=20160716, Distributor=Mouser, Link sale=http://www.mouser.vn/ProductDetail/Yageo/RC1206JR-07100KL/?qs=%2fha2pyFadugAv10W5eASAgAbIwDj0mC5zdBHJsZxIFkHK6MBmZ2tew%3d%3d, Partnumber=RC1206JR-07100KL, Pricing (USD)=0.004
R10: library part RC0603JR-073K3L, "RES 0603 3.3K 5% 100mW", BSH Partnumber=R-3K3-0603-5, Manufacture=Yageo, ComponentLink1Description=Datasheet, ComponentLink1URL=http://www.mouser.com/ds/2/447/RC0603-272842.pdf, ComponentLink2Description="Link sale", ComponentLink2URL=http://www.mouser.vn/ProductDetail/Yageo/RC0603JR-073K3L/?qs=%2fha2pyFaduiI%252b%2f%2fp%2fYhTTUC9G%2ftM89tiss13Vr5bentGgwH5efyYUg%3d%3d, Creator=SmartDevice, Datasheet=http://www.mouser.com/ds/2/447/RC0603-272842.pdf, Date=20160716, Distributor=Mouser, Link sale=http://www.mouser.vn/ProductDetail/Yageo/RC0603JR-073K3L/?qs=%2fha2pyFaduiI%252b%2f%2fp%2fYhTTUC9G%2ftM89tiss13Vr5bentGgwH5efyYUg%3d%3d, Partnumber=RC0603JR-073K3L, Pricing (USD)=0.002
R11 R12: library part RC1206FR-073R3L, "RES 1206 3R3 1% 250mW", BSH Partnumber=R-3R3-1206-1, Manufacture=Yageo, ComponentLink1Description=Datasheet, ComponentLink1URL=http://www.mouser.com/ds/2/447/PYu-RC1206_51_RoHS_L-4-349080.pdf, ComponentLink2Description="Link sale", ComponentLink2URL=http://www.mouser.vn/ProductDetail/Yageo/RC1206FR-073R3L/?qs=%2fha2pyFaduhRUg1%252bSfBETOq42wV2vAUJY3MnS0bXa6FiCpwrrcH8OQ%3d%3d, Creator=SmartDevice, Datasheet=http://www.mouser.com/ds/2/447/PYu-RC1206_51_RoHS_L-4-349080.pdf, Date=20160716, Distributor=Mouser, Link sale=http://www.mouser.vn/ProductDetail/Yageo/RC1206FR-073R3L/?qs=%2fha2pyFaduhRUg1%252bSfBETOq42wV2vAUJY3MnS0bXa6FiCpwrrcH8OQ%3d%3d, Partnumber=RC1206FR-073R3L, Pricing (USD)=0.009
R13: library part RC0603JR-0710RL, "RES 0603 10R 5% 100mW", BSH Partnumber=R-10R-0603-5, Manufacture=Yageo, ComponentLink1Description=Datasheet, ComponentLink1URL=http://www.mouser.com/ds/2/447/RC0603-272842.pdf, ComponentLink2Description="Link sale", ComponentLink2URL=http://vn.mouser.com/ProductDetail/Yageo/RC0603JR-0710RL/?qs=sGAEpiMZZMu61qfTUdNhG5eFuApKbqVd7N2n6WR6Q2s%3d, Creator=SmartDevice, Datasheet=http://www.mouser.com/ds/2/447/RC0603-272842.pdf, Date=20150818, Distributor=Mouser, Link sale=http://vn.mouser.com/ProductDetail/Yageo/RC0603JR-0710RL/?qs=sGAEpiMZZMu61qfTUdNhG5eFuApKbqVd7N2n6WR6Q2s%3d, Partnumber=RC0603JR-0710RL, Pricing (USD)=0.002
R14: library part RC0603FR-0715KL, "RES 0603 15k 1% 100mW", BSH Partnumber=R-15K-0603-1, Manufacture=Yageo, ComponentLink1Description=Datasheet, ComponentLink1URL=http://www.mouser.com/ds/2/447/RC0603-272842.pdf, ComponentLink2Description="Link sale", ComponentLink2URL=http://www.mouser.vn/ProductDetail/Yageo/RC0603FR-0715KL/?qs=%2fha2pyFaduhXXNW8qwNUNlRLrWlOrSb86bYDLRXgp06KHZvTB0LjtA%3d%3d, Creator=SmartDevice, Datasheet=http://www.mouser.com/ds/2/447/RC0603-272842.pdf, Date=20160716, Distributor=Mouser, Link sale=http://www.mouser.vn/ProductDetail/Yageo/RC0603FR-0715KL/?qs=%2fha2pyFaduhXXNW8qwNUNlRLrWlOrSb86bYDLRXgp06KHZvTB0LjtA%3d%3d, Partnumber=RC0603FR-0715KL, Pricing (USD)=0.002
R15: library part RC0603FR-073K9L, "RES 0603 3K9 1% 100mW", BSH Partnumber=R-3K9-0603-1, Manufacture=Yageo, ComponentLink1Description=Datasheet, ComponentLink1URL=http://www.yageo.com.tw/exep/pages/download/literatures/PYu-R_INT-thick_7.pdf, ComponentLink2Description="Link sale", ComponentLink2URL=http://www.digikey.com/product-detail/en/yageo/RC0603FR-073K9L/311-3.90KHRTR-ND/727136, Creator=SmartDevice, Datasheet=http://www.yageo.com.tw/exep/pages/download/literatures/PYu-R_INT-thick_7.pdf, Date=20160714, Distributor=Digikey, Link sale=http://www.digikey.com/product-detail/en/yageo/RC0603FR-073K9L/311-3.90KHRTR-ND/727136, Partnumber=RC0603FR-073K9L, Pricing (USD)=0.0013
S1 S2: "Switch", ComponentLink1Description=https://shopee.vn/-Home-Living-100pcs-3X6X2.5mm-Tactile-Push-Button-Switch-Tact-Switch-Micro-Switch-SMD-i.329424082.5262213627, ComponentLink1URL=https://shopee.vn/-Home-Living-100pcs-3X6X2.5mm-Tactile-Push-Button-Switch-Tact-Switch-Micro-Switch-SMD-i.329424082.5262213627, LatestRevisionDate=17-Jul-2002, LatestRevisionNote="Re-released for DXP Platform.", PackageReference=SPST-2, Published=24-Mar-1999, Publisher="Altium Limited"
TP1 TP2 TP3 TP4: library part TP1, "Test Point Multilayer", BSH Partnumber=TP, ComponentLink1Description=Datasheet, ComponentLink2Description="Link sale", Creator=DucNTc, Date=20150912, Partnumber=TP1
TRANS1: "Transformer 5V/1A Power", BSH Partnumber=T-HTK-MUC51, Manufacture="Tabuchi electric", ComponentLink1Description=Datasheet, ComponentLink2Description="Link sale", Creator=NamNHc, Date=20160614, Distributor="Tabuchi Viet Nam", Partnumber=HTK-MUC51, Pricing (USD)=2
U1: "USB to serial chip CH340", Package=Package, Availability=Unavailable, Check_prices=https://www.snapeda.com/parts/CH340C/WCH/view-part/5428851/?ref=eda, ComponentLink1Description=https://shopee.vn/10-Ic-Ch340C-Ch340-Sop-16-Ic-Ch%E1%BA%A5t-L%C6%B0%E1%BB%A3ng-Cao-i.354017206.3568923182?gclid=CjwKCAjwgviIBhBkEiwA10D2jxg9RuL2f9hWoYHeo_FSM6pspJ3WHd-aH4B39ByWSgvqeA63UJxyaRoCPFwQAvD_BwE, ComponentLink1URL=https://shopee.vn/10-Ic-Ch340C-Ch340-Sop-16-Ic-Ch%E1%BA%A5t-L%C6%B0%E1%BB%A3ng-Cao-i.354017206.3568923182?gclid=CjwKCAjwgviIBhBkEiwA10D2jxg9RuL2f9hWoYHeo_FSM6pspJ3WHd-aH4B39ByWSgvqeA63UJxyaRoCPFwQAvD_BwE, ComponentLink2Description=https://shopee.vn/IC-giao-ti%E1%BA%BFp-USB-UART-CH340C-i.211729822.6315362497, ComponentLink2URL=https://shopee.vn/IC-giao-ti%E1%BA%BFp-USB-UART-CH340C-i.211729822.6315362497, MF=WCH, MP=CH340C, Price=None, SnapEDA_Link=https://www.snapeda.com/parts/CH340C/WCH/view-part/5428851/?ref=snap
U2: Manufacturer="Espressif Systems", Manufacturer Part Number=ESP32-WROOM-32E(4MBHIGHTEMP), Supplier Part Number 1=1965-ESP32-WROOM-32E(4MBHIGHTEMP)CT-ND, ComponentLink1Description=https://banlinhkien.vn/goods-9735-esp32-wroom-32-esp32-soc-chinh-hang.html, ComponentLink1URL=https://banlinhkien.vn/goods-9735-esp32-wroom-32-esp32-soc-chinh-hang.html, Pricing 1="1=3.15 (USD)", Stock 1=0, Supplier 1=Digi-Key
V1: library part V10E300P, "Varistors 300V 10mm Epoxy UltraMOV", BSH Partnumber="New part", Manufacture="Little Fuse", ComponentLink1Description=Datasheet, ComponentLink1URL=http://www.mouser.com/ds/2/240/Littelfuse_MOV_UltraMOV-67928.pdf, ComponentLink2Description="Link sale", ComponentLink2URL=http://www.mouser.vn/ProductDetail/Littelfuse/V10E300P/?qs=sGAEpiMZZMuQmL5N8IqpX830%2f%252b2kYIgxyGDqkDiNBrs%3d, Creator=NamNHc, Datasheet=http://www.mouser.com/ds/2/240/Littelfuse_MOV_UltraMOV-67928.pdf, Date=20170329, Distributor=Mouser, Link sale=http://www.mouser.vn/ProductDetail/Littelfuse/V10E300P/?qs=sGAEpiMZZMuQmL5N8IqpX830%2f%252b2kYIgxyGDqkDiNBrs%3d, Partnumber=V10E300P, Pricing (USD)=0.161

## Via types
v1: diameter 11.81, hole 7.87, Top Layer to Bottom Layer, 12 vias

## Nets (pads, with @x,y where several pads share a name; then routed paths per layer and width w, separated by ;. In a path a pad name is that pad's centre, name@x,y a point inside that pad or via, vN(x,y) a via of type N, cw(c..) or ccw(c..) an arc to the next point about the centre after c; other vN are vias at no path point)
+3.3V: C15.2 R10.2 TP3.1
+3V3: F1.2
+5V: C11.1 C14.2 D1.1 LED2.1 LED3.1 LED4.1 TP4.1
A: D1.2
D_N: J1.2 U1.6
D_P: J1.3 U1.5
DTR: Q2.2 R6.2 U1.13
EN: C4.2 Q1.3 R1.1 S1.1 U2.3
FB: C17.2 IC2.4 R14.1 R15.2
GND: C1.2 C2.2 C3.2 C4.1 C5.1 C6.2 C7.1 C8.1 C11.2 C12.2 C14.1 C15.1 J1.5 LED1.2 LED2.3 LED3.3 LED4.3 R10.1 S1.2 S2.1 TP2.1 U1.1 U2.1 U2.15 U2.38
GND1: C9.2 C10.2 C12.1 C16.2 C17.1 DB1.3 IC2.1 IC2.2 IC2.3 R11.2 R12.2 R15.1 TP1.1 TRANS1.9
GPIO0: C5.2 Q2.3 R2.1 S2.2 U2.25
L: CN1.1 CN1.2 F2.1
LED_RGB: LED2.4
N: CN1.3 CN1.4 DB1.2 V1.2
NetC1_1: C1.1 C2.1 C3.1 J1.1 U1.16
NetC6_1: C6.1 U1.4
NetC9_1: C9.1 DB1.1 L1.1
NetC13_1: C13.1 D2.1 R9.1
NetC13_2: C13.2 R8.1 R9.2
NetD2_2: D2.2 IC2.7 TRANS1.2
NetD3_1: D3.1 R13.2
NetD3_2: D3.2 R14.2 TRANS1.10
NetDB1_4: DB1.4 F2.2 V1.1
NetLED1_1: LED1.1 R3.1
NetLED2_2: LED2.2 LED3.4
NetLED3_2: LED3.2 LED4.4
NetQ1_1: Q1.1 R6.1
NetQ2_1: Q2.1 R7.1
NetR4_1: R4.1 U1.2
NetR5_1: R5.1 U1.3
PSOURCE: IC2.6 R11.1 R12.1
PVCC: C16.1 IC2.5 R13.1
RTS: Q1.2 R7.2 U1.14
RX0: R4.2 U2.34
TX0: R5.2 U2.35
V_IN: C10.1 L1.2 R8.2 TRANS1.4
VCC_MCU: C7.2 C8.2 F1.1 R1.2 R2.2 R3.2 U2.2
pads on no net: J1.4 LED4.2 U1.7 U1.8 U1.9 U1.10 U1.11 U1.12 U1.15 U2.0 U2.4 U2.5 U2.6 U2.7 U2.8 U2.9 U2.10 U2.11 U2.12 U2.13 U2.14 U2.16 U2.17 U2.18 U2.19 U2.20 U2.21 U2.22 U2.23 U2.24 U2.26 U2.27 U2.28 U2.29 U2.30 U2.31 U2.32 U2.33 U2.36 U2.37
copper on no net:
  other v1: 8625.63,1421.77 8704.37,1421.77 8586.26,1460.94 8665,1460.94 8743.74,1460.94 8625.63,1500.51 8704.37,1500.51 8586.26,1539.68 8665,1539.68 8743.74,1539.68 8625.63,1579.25 8704.37,1579.25

## Text inside footprints (layer, text, board x,y; h text height)
C9: Top Overlay "+" at 13351.3,2886.67 h40 r270
C10: Top Overlay "+" at 13816.3,2886.67 h40 r270
DB1: Top Overlay "+" at 14951.72,2944.24 h25 r270; Top Overlay "-" at 14857.46,2940.07 h25; Top Overlay "~" at 14857.46,2835.97 h25; Top Overlay "~" at 14955.88,2835.97 h25